# KiCad board Lime_RFE.kicad_pcb (continued)
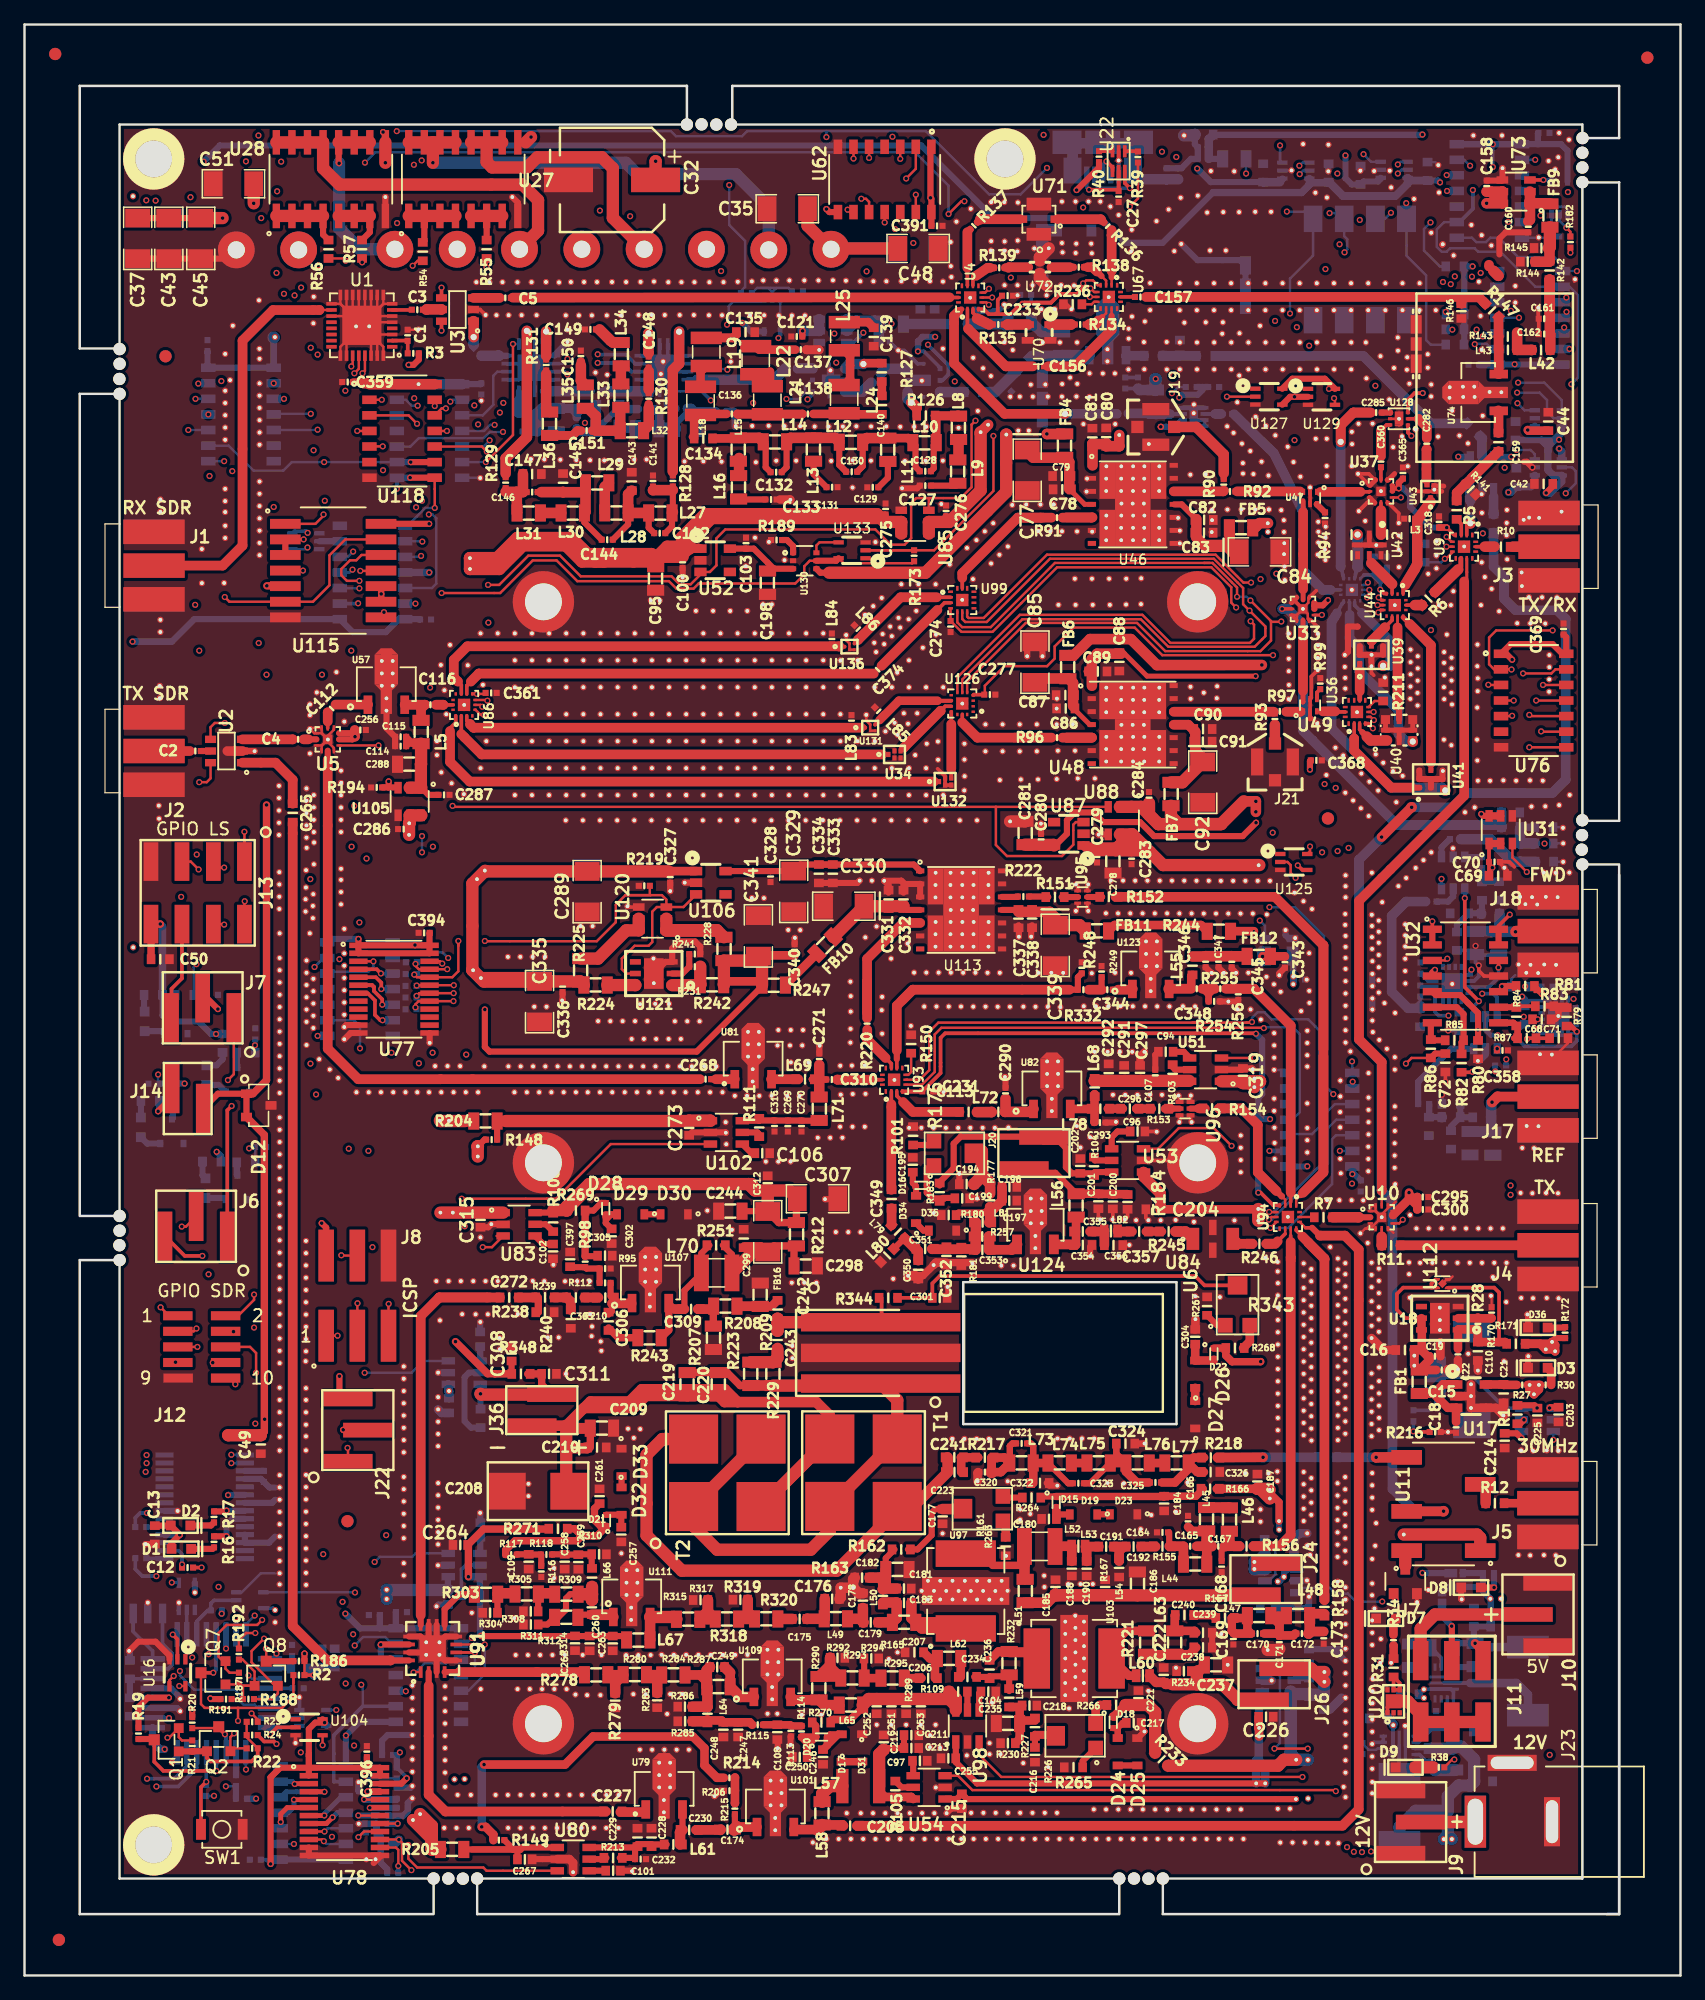
[diagram p0: board, top side]
## Placement (name value [footprint] x y rotation side) (continued)
U103  AFT09MS007NT1  [SMD_AFT09MS007NT1]  85.57 25.83 270 top
U104  -  [SN74LV1T34]  23.2 20.23 0 top
U105  NCP331SNT1G  [TSOP-6]  31.4 95.68 180 top
U106  NCP702_2V8  [NCP702_TSOP5]  55.95 89.06 0 top
U107  -  [RD01MUS2B]  51.02 56.59 0 top
U108  -  [SN74LV1T34]  23.51 20.99 0 bottom
U109  -  [RD01MUS2B]  60.96 24.49 0 top
U110  TPS22810DBVR  [SOT23_TPS22810DBVR]  123.33 45.28 180 bottom
U111  -  [RD01MUS2B]  49.5 31.01 0 top
U112  NCP163_2V5_NF  [NCP163_XDFN4]  115.59 56.38 90 top
U113  -  [QPA9426]  76.35 86.84 0 top
U114  -  [SN74LV1T04]  22.94 116.89 180 bottom
U115  -  [TC74HC04AF]  25.16 114.5 0 top
U116  -  [74LV164D,118]  28.36 114.35 0 bottom
U117  -  [74LV164D,118]  17.65 127.22 180 bottom
U118  -  [74LV164D,118]  30.78 125.88 0 top
U119  -  [74LV164D,118]  122.73 135.1 0 bottom
U120  NCP331SNT1G  [TSOP-6]  51.2 86.13 90 top
U121  -  [LD39200]  51.3 81.66 180 top
U122  NCP331SNT1G  [TSOP-6]  102.25 83.56 90 bottom
U123  MAAM-009286  [SOT89_MAAM-009286]  91.81 82.19 0 top
U124  RFM04U6P  [RFM04U6P_SOT89]  82.41 61.32 0 top
U125  -  [SN74LV1T04]  103.47 90.75 0 top
U126  SKY13416-485LF  [14QFN_SKY13416-485LF]  76.45 103.67 180 top
U127  -  [SN74LV1T04]  101.44 128.67 0 top
U128  SKY13370-374LF  [SKY13370-374LF_6QFN]  112.06 126.87 180 top
U129  -  [SN74LV1T04]  105.73 128.66 0 top
U130  -  [FSA5157P6X]  63.61 115.3 270 top
U131  -  [F6QA1G842M2AN-J]  68.94 101.7 0 top
U132  -  [B39212B9451P810]  75.05 97.3 0 top
U133  -  [SN74LV1T34]  67.47 116.15 180 top
U136  -  [F6QA2G655M2QH-J]  67.25 108.3 0 top
U?  LimeNET-Micro v2.0  [LimeNET_Micro_v2.0]  45.23 79.34 180 top
U?#2  -  [HEAT_SINK_60.96x116.84]  68.97 66.23 0 bottom
X1  -  [CSTNE16M0V530000R0]  10.05 29.5 0 bottom

## Footprints (pads in the part's own frame, mm; a bottom-side part is the same pattern mirrored in y, then rotated)
6-DFN
  rect 0.43x0.36 smd: 1(-0.925,0.5) 2(-0.925,0) 3(-0.925,-0.5) 4(0.945,-0.5) 5(0.945,0) 6(0.945,0.5)
  rect 1.15x1.3 smd: 1(0.01,0)
14QFN_SKY13414-485LF
  rect 0.395x0.2 smd: 1(-0.953,0.675) 2(-0.953,0.225) 3(-0.953,-0.225) 4(-0.953,-0.675) 8(0.953,-0.675) 9(0.953,-0.225) 10(0.953,0.225) 11(0.953,0.675)
  rect 0.2x0.395 smd: 5(-0.4,-0.953) 6(0,-0.953) 7(0.4,-0.953) 12(0.4,0.953) 13(0,0.953) 14(-0.4,0.953)
  rect 1x1 smd: 15(0,0)
14QFN_SKY13415-485LF
  rect 0.395x0.2 smd: 1(-0.953,0.675) 2(-0.953,0.225) 3(-0.953,-0.225) 4(-0.953,-0.675) 8(0.953,-0.675) 9(0.953,-0.225) 10(0.953,0.225) 11(0.953,0.675)
  rect 0.2x0.395 smd: 5(-0.4,-0.953) 6(0,-0.953) 7(0.4,-0.953) 12(0.4,0.953) 13(0,0.953) 14(-0.4,0.953)
  rect 1x1 smd: 15(0,0)
14QFN_SKY13416-485LF
  rect 0.28x0.2 smd: 1(-0.895,0.675) 2(-0.895,0.225) 3(-0.895,-0.225) 4(-0.895,-0.675) 8(0.895,-0.675) 9(0.895,-0.225) 10(0.895,0.225) 11(0.895,0.675)
  rect 0.2x0.28 smd: 5(-0.4,-0.895) 6(0,-0.895) 7(0.4,-0.895) 12(0.4,0.895) 13(0,0.895) 14(-0.4,0.895)
  rect 1x1 smd: 15(0,0)
14QFN_SKY13418-485LF
  rect 0.395x0.2 smd: 1(-0.953,0.675) 2(-0.953,0.225) 3(-0.953,-0.225) 4(-0.953,-0.675) 8(0.953,-0.675) 9(0.953,-0.225) 10(0.953,0.225) 11(0.953,0.675)
  rect 0.2x0.395 smd: 5(-0.4,-0.953) 6(0,-0.953) 7(0.4,-0.953) 12(0.4,0.953) 13(0,0.953) 14(-0.4,0.953)
  rect 1x1 smd: 15(0,0)
74LV164D,118
  rect 1.18x0.7 smd: 1(-2.66,3.81) 2(-2.66,2.54) 3(-2.66,1.27) 4(-2.66,0) 5(-2.66,-1.27) 6(-2.66,-2.54) 7(-2.66,-3.81) 8(2.66,-3.81) 9(2.66,-2.54) 10(2.66,-1.27) 11(2.66,0) 12(2.66,1.27) 13(2.66,2.54) 14(2.66,3.81)
74LVC1G08GW_TSSOP-5
  rect 0.4x0.7 smd: 1(-0.65,-1.35) 2(0,-1.35) 3(0.65,-1.35) 4(0.65,1.35) 5(-0.65,1.35)
74LVC1T45
  rect 0.85x0.35 smd: 1(-1.1,0.65) 2(-1.1,0) 3(-1.1,-0.65) 4(1.1,-0.65) 5(1.1,0) 6(1.1,0.656)
2450LP14B100T
  rect 0.25x0.55 smd: 1(0.5,0.4) 2(0,0.4) 3(-0.5,0.4) 4(-0.5,-0.4) 5(0,-0.4) 6(0.5,-0.4)
3600BP14M0600T
  rect 0.8x0.7 smd: 1(0,0.55) 3(0,-0.55)
  rect 0.65x0.3 smd: 2(0.95,0) 4(-0.95,0)
54202-G3003LF
  rect 1.27x4.24 smd: 1(-2.54,-3.265) 2(-2.54,3.265) 3(0,-3.265) 4(0,3.265) 5(2.54,-3.265) 6(2.54,3.265)
885026
  rect 0.35x0.425 smd: 1(-0.5,0) 2(0,-0.287) 3(0.5,-0.287) 4(0.5,0.287) 5(0,0.287)
1462042-8
  rect 1.2x2.5 smd: 1(-3.8,-3) 3(1.6,-3) 5(3.8,3) 7(-0.6,3) 8(-3.8,3)
744889020100
  rect 4x4 smd: 1(-2.75,2.75) 2(-2.75,-2.75) 3(2.75,-2.75) 4(2.75,2.75)
ADE04S04
  rect 2.16x1.52 smd: 1(-4.13,3.81) 2(-4.13,1.27) 3(-4.13,-1.27) 4(-4.13,-3.81) 5(4.13,-3.81) 6(4.13,-1.27) 7(4.13,1.27) 8(4.13,3.81)
ADL5513
  rect 0.6x0.3 smd: 1(-1.4,0.75) 2(-1.4,0.25) 3(-1.4,-0.25) 4(-1.4,-0.75) 9(1.4,-0.75) 10(1.4,-0.25) 11(1.4,0.25) 12(1.4,0.75)
  rect 0.3x0.5 smd: 5(-0.75,-1.4) 6(-0.25,-1.4) 7(0.25,-1.4) 8(0.75,-1.4) 13(0.75,1.4) 14(0.25,1.4) 15(-0.25,1.4) 16(-0.75,1.4)
  rect 1.75x1.75 smd: 10(0,0)
ATMEGA328P-AU
  rect 1.999x0.45 smd: 1(-4.816,2.824) 2(-4.816,2.024) 3(-4.816,1.224) 4(-4.816,0.424) 5(-4.816,-0.376) 6(-4.816,-1.176) 7(-4.816,-1.976) 8(-4.816,-2.776) 17(4.75,-2.794) 18(4.75,-1.981) 19(4.75,-1.168) 20(4.75,-0.381) 21(4.75,0.432) 22(4.75,1.219) 23(4.75,2.032) 24(4.75,2.819)
  rect 0.45x1.999 smd: 9(-2.819,-4.775) 10(-2.032,-4.775) 11(-1.219,-4.775) 12(-0.432,-4.775) 13(0.356,-4.775) 14(1.168,-4.775) 15(1.981,-4.775) 16(2.794,-4.775) 25(2.774,4.826) 26(1.976,4.826) 27(1.173,4.826) 28(0.376,4.826) 29(-0.427,4.826) 30(-1.224,4.826) 31(-2.027,4.826) 32(-2.824,4.826)
B3U-1000P
  rect 0.8x1.7 smd: 1(-1.7,0) 2(1.7,0)
B39202B9477P810
  rect 0.35x0.425 smd: 1(-0.5,0) 2(0,-0.287) 3(0.5,-0.287) 4(0.5,0.287) 5(0,0.287)
B39212B9451P810
  rect 0.35x0.425 smd: 1(-0.5,0) 2(0,-0.287) 3(0.5,-0.287) 4(0.5,0.287) 5(0,0.287)
BAS16HT1G
  rect 0.63x0.83 smd: 1(-1.115,0) 2(1.115,0)
BC817_SOT-23
  rect 0.5x0.6 smd: 1(0,-1) 2(0.95,1) 3(-0.95,1)
BP0805A1308ASTR
  rect 0.54x1 smd: 1(-0.645,0.925) 2(-0.645,-0.925) 3(0.645,-0.925) 4(0.645,0.925)
BreakHole
  round 1 hole 1 unplated: (0,0)
BSN20
  rect 0.9x0.9 smd: D(0,1)
  rect 0.8x0.8 smd: G(-0.95,-1) S(0.95,-1)
CONN_1757242
  round 3 hole 1.4: 1(-2.54,0) 2(2.54,0)
CONN_1757307
  round 3 hole 1.4: 1(-17.78,0) 2(-12.7,0) 3(-7.62,0) 4(-2.54,0) 5(2.54,0) 6(7.62,0) 7(12.7,0.05) 8(17.78,0)
CSTNE16M0V530000R0
  rect 0.6x1.6 smd: 1(-1.2,0) 2(0,0) 3(1.2,0)
DEA163800LT-5017C1
  rect 0.35x0.65 smd: 1(0.55,0.45) 2(0,0.45) 3(-0.55,0.45) 4(-0.55,-0.45) 5(0,-0.45) 6(0.55,-0.45)
DEA252400BT-2030A1
  rect 1.1x0.6 smd: 1(-1.5,0) 2(1.5,0)
  rect 2x1.05 smd: 3(0,1.225) 4(0,-1.225)
DRDC3105F-7_SOT23
  rect 0.8x0.9 smd: 1(0,1) 2(-0.95,-1) 3(0.95,-1)
EEE-HC1E101P
  rect 2x4 smd: 1(0,-3.55) 2(0,3.55)
F6QA1G842M2AN-J
  rect 0.2x0.25 smd: 1(-0.4,0) 2(0,-0.25) 3(0.4,-0.25) 4(0.4,0.25) 5(0,0.25)
F6QA2G655M2QH-J
  rect 0.2x0.25 smd: 1(-0.4,0) 2(0,-0.25) 3(0.4,-0.25) 4(0.4,0.25) 5(0,0.25)
F1956NBGI8
  rect 0.85x0.3 smd: 1(-2.475,1.75) 2(-2.475,1.25) 3(-2.475,0.75) 4(-2.475,0.25) 5(-2.475,-0.25) 6(-2.475,-0.75) 7(-2.475,-1.25) 8(-2.475,-1.75) 17(2.475,-1.75) 18(2.475,-1.25) 19(2.475,-0.75) 20(2.475,-0.25) 21(2.475,0.25) 22(2.475,0.75) 23(2.475,1.25) 24(2.475,1.75)
  rect 0.3x0.85 smd: 9(-1.75,-2.475) 10(-1.25,-2.475) 11(-0.75,-2.475) 12(-0.25,-2.475) 13(0.25,-2.475) 14(0.75,-2.475) 15(1.25,-2.475) 16(1.75,-2.475) 25(1.75,2.475) 26(1.25,2.475) 27(0.75,2.475) 28(0.25,2.475) 29(-0.25,2.475) 30(-0.75,2.475) 31(-1.25,2.475) 32(-1.75,2.475)
  rect 3.2x3.2 smd: 33(0,0)
FAN_CONN_3
  rect 0.85x1.65 smd: 1(-1.25,2.95) 2(0,2.95) 3(1.25,2.95)
  rect 2.15x3.05 smd: 4(3.9,0) 5(-3.9,0)
Fiducial
  round 1 smd: 1(0,0)
  round 1 smd far side: 2(0,0)
FSA5157P6X
  rect 0.4x0.5 smd: 1(-0.65,-0.95) 2(0,-0.95) 3(0.65,-0.95) 4(0.65,0.95) 5(0,0.95) 6(-0.65,0.95)
FT232RL
  rect 0.419x1.471 smd: 1(-4.224,-3.275) 2(-3.574,-3.275) 3(-2.926,-3.275) 4(-2.276,-3.275) 5(-1.626,-3.275) 6(-0.975,-3.275) 7(-0.325,-3.275) 8(0.325,-3.275) 9(0.975,-3.275) 10(1.626,-3.275) 11(2.276,-3.275) 12(2.926,-3.275) 13(3.574,-3.275) 14(4.224,-3.275) 15(4.224,3.275) 16(3.574,3.275) 17(2.926,3.275) 18(2.276,3.275) 19(1.626,3.275) 20(0.975,3.275) 21(0.325,3.275) 22(-0.325,3.275) 23(-0.975,3.275) 24(-1.626,3.275) 25(-2.266,3.275) 26(-2.926,3.275) 27(-3.574,3.275) 28(-4.224,3.275)
GND_VIA
  round 0.5 hole 0.3: 1(0,0)
GSOT03C-E3-08
  rect 0.7x0.9 smd: 1(-0.95,-1) 2(0.95,-1) 3(0,1)
HEAT_SINK_60.96x116.84
  round 5 hole 3: 1(-26.67,-45.72) 1(-26.67,0) 1(-26.67,45.72) 1(26.67,-45.72) 1(26.67,0) 1(26.67,45.72)
HHM22137A2
  rect 0.3x0.5 smd: 1(-0.55,-0.5) 2(0,-0.5) 3(0.55,-0.5) 4(0.55,0.5) 5(0,0.5) 6(-0.55,0.5)
HHM22139A2
  rect 0.3x0.5 smd: 1(-0.55,-0.5) 2(0,-0.5) 3(0.55,-0.5) 4(0.55,0.5) 5(0,0.5) 6(-0.55,0.5)
HMC544AE
  rect 0.6x0.9 smd: 1(-0.95,-1.3) 2(0,-1.3) 3(0.95,-1.3) 4(0.95,1.3) 5(0,1.3) 6(-0.95,1.3)
LD39200
  rect 0.9x0.45 smd: 1(-1.5,0.95) 2(-1.5,0) 3(-1.5,-0.95) 4(1.5,-0.95) 5(1.5,0) 6(1.5,0.95)
  rect 1.6x2.5 smd: 7(0,0)
LED_0603
  rect 0.798x0.798 smd: 1(-0.8,0) 2(0.8,0)
LFCN-1450+
  rect 1.04x1.8 smd: 1(-1.625,0) 3(1.625,0)
  rect 0.61x1.245 smd: 2(0,-0.927) 4(0,0.927)
LimeNET_Micro_v2.0
  round 5 hole 3: 1(-34.7,-68.7) 1(34.7,68.7) 1(34.7,-68.7)
M14A
  rect 0.6x1.55 smd: 1(-3.81,-2.7) 2(-2.54,-2.7) 3(-1.27,-2.7) 4(0,-2.7) 5(1.27,-2.7) 6(2.54,-2.7) 7(3.81,-2.7) 8(3.81,2.7) 9(2.54,2.7) 10(1.27,2.7) 11(0,2.7) 12(-1.27,2.7) 13(-2.54,2.7) 14(-3.81,2.7)
M20-8750442
  rect 3.15x1.2 smd: 1(-2.55,3.81) 2(-2.55,1.28) 3(-2.55,-1.28) 4(-2.55,-3.81) 5(2.55,-3.81) 6(2.55,-1.28) 7(2.55,1.28) 8(2.55,3.81)
M20-8770342
  rect 1.2x4 smd: 1(2.54,-0.8) 2(0,0.8) 3(-2.54,-0.8)
MASW-008566-TR3000
  rect 0.95x0.3 smd: 1(-1.925,0.975) 2(-1.925,0.325) 3(-1.925,-0.325) 4(-1.925,-0.975) 9(1.925,-0.975) 10(1.925,-0.325) 11(1.925,0.325) 12(1.925,0.975)
  rect 2.15x2.15 smd: 3(0,0)
  rect 0.3x0.95 smd: 5(-0.975,-1.925) 6(-0.325,-1.925) 7(0.325,-1.925) 8(0.975,-1.925) 13(0.975,1.925) 14(0.325,1.925) 15(-0.325,1.925) 16(-0.975,1.925)
NCP163_XDFN4
  rect 0.11x0.42 smd: 1(-0.4,-0.405) 2(0.4,-0.405) 3(0.4,0.405) 4(-0.4,0.405)
  rect 0.12x0.25 smd rot 45: 1(-0.325,-0.335) 3(0.325,0.335)
  rect 0.26x0.24 smd: 1(-0.325,-0.502) 2(0.325,-0.502) 3(0.325,0.502) 4(-0.325,0.502)
  rect 0.52x0.52 smd rot 45: 2(0,0)
  rect 0.12x0.25 smd rot 135: 2(0.325,-0.335) 4(-0.325,0.335)
NCP702_TSOP5
  rect 1x0.7 smd: 1(-1.2,0.95) 2(-1.2,0) 3(-1.2,-0.95) 4(1.2,-0.95) 5(1.2,0.95)
NSR20F30NXT5G
  rect 0.52x0.7 smd: 1(-0.59,0)
  rect 1.05x0.7 smd: 2(0.38,0)
PE4245
  rect 0.4x0.4 smd: 1(-1.325,0.95) 2(-1.325,0) 3(-1.325,-0.95) 4(1.325,-0.95) 5(1.325,0) 6(1.325,0.95)
  rect 1.51x0.92 smd: 2(-0.185,0)
  rect 0.25x0.3 smd: 2(0,-1.35) 2(0,1.35)
PIN_HEADER_2X5
  rect 2.4x0.74 smd: 1(-1.95,2.54) 2(1.95,2.54) 3(-1.95,1.27) 4(1.95,1.27) 5(-1.95,0) 6(1.95,0) 7(-1.95,-1.27) 8(1.95,-1.27) 9(-1.925,-2.54) 10(1.95,-2.54)
PINHEADER_2X3
  rect 3.2x1.27 smd: 1(-2.575,2.575) 2(2.426,2.575) 3(-2.575,0.035) 4(2.426,0.035) 5(-2.575,-2.505) 6(2.426,-2.505)
QPA9419
  rect 0.675x0.4 smd: 1(-3.337,3.18) 2(-3.337,2.12) 3(-3.337,1.06) 4(-3.337,0) 5(-3.337,-1.06) 6(-3.337,-2.12) 7(-3.337,-3.18) 8(3.337,-3.18) 9(3.337,-2.12) 10(3.337,-1.06) 11(3.337,0) 12(3.337,1.06) 13(3.337,2.12) 14(3.337,3.18)
  rect 5.45x2.955 smd: 15(0,1.923) 15(0,-1.923)
  rect 2.9x0.89 smd: 15(0,0)
QPA9426
  rect 0.675x0.4 smd: 1(-3.337,3.18) 2(-3.337,2.12) 3(-3.337,1.06) 4(-3.337,0) 5(-3.337,-1.06) 6(-3.337,-2.12) 7(-3.337,-3.18) 8(3.337,-3.18) 9(3.337,-2.12) 10(3.337,-1.06) 11(3.337,0) 12(3.337,1.06) 13(3.337,2.12) 14(3.337,3.18)
  rect 1.275x2.955 smd: 15(-2.087,1.923) 15(-2.087,-1.923) 15(2.087,1.923) 15(2.087,-1.923)
  rect 2.9x6.8 smd: 15(0,0)
QPQ1282
  rect 0.4x0.4 smd: 1(-0.7,0.95) 2(-0.7,0) 3(-0.7,-0.95) 4(0,-0.95) 5(0.7,-0.95) 6(0.7,0) 7(0.7,0.95) 8(0,0.95)
  rect 0.4x0.9 smd: 2(0,0)
QPQ1297
  rect 0.4x0.4 smd: 1(-0.7,0.95) 2(-0.7,0) 3(-0.7,-0.95) 4(0,-0.95) 5(0.7,-0.95) 6(0.7,0) 7(0.7,0.95) 8(0,0.95)
  rect 0.4x0.9 smd: 2(0,0)
RAPC712X
  rect 4.25x1.75 hole 3.75x1.25: 1(0,6.25)
  rect 4x1.3 hole 3.5x1: 2(0,0)
  rect 1.3x4 hole 1x3.5: 2(4.8,3.25)
RD01MUS2B
  rect 0.711x1.499 smd: 1(-1.499,-1.791) 3(1.499,-1.791)
  trapezoid 1.41x0.495 smd: 2(0,2.546) 2(0,-0.375)
  rect 1.905x2.426 smd: 2(0,1.086)
  rect 0.914x5.334 smd: 2(0,0.127)
RD16HHF1
  rect 1.5x13 smd: 1(-2.5,-6.5) 2(0,-6.5) 3(2.5,-6.5)
RFM04U6P_SOT89
  rect 0.8x1.6 smd: 1(-1.5,-1.74) 3(1.5,-1.74)
  trapezoid 1.41x0.495 smd: 2(0,2.546) 2(0,-0.375)
  rect 1.905x2.426 smd: 2(0,1.086)
  rect 0.914x5.334 smd: 2(0,0.127)
S0981-46R
  rect 0.8x1 smd: (-4.5,0)
  rect 2.1x1 smd: (-1.05,0)
  trapezoid 1x0.1 smd: (-0.55,0.55)
  rect 1x2.1 smd: (-0.5,0.55)
  rect 1x0.8 smd: (-0.5,4)
S1001-46R
  rect 1.5x0.9 smd: (-1.6,0) (1.6,0)
  rect 1.1x0.9 smd: (0,0)
SKY13370-374LF_6QFN
  rect 0.35x0.25 smd: 1(-0.725,0.5) 2(-0.725,0) 3(-0.725,-0.5) 4(0.725,-0.5) 5(0.725,0) 6(0.725,0.5)
  rect 0.212x0.212 smd rot 135: 5(-0.2,0.45)
  rect 0.2x0.05 smd: 5(0,0.625) 5(0,-0.625)
  rect 0.7x0.45 smd: 5(0,0.225)
  rect 0.7x0.6 smd: 5(0,-0.3)
  rect 0.55x0.15 smd: 5(0.075,0.525)
SKYA21003_12QFN
  rect 0.44x0.2 smd: 1(-0.93,0.5) 2(-0.93,0) 3(-0.93,-0.5) 7(0.93,-0.5) 8(0.93,0) 9(0.93,0.5)
  rect 0.76x0.76 smd: 1(0,0)
  rect 0.2x0.44 smd: 4(-0.5,-0.93) 5(0,-0.93) 6(0.5,-0.93) 10(0.5,0.93) 11(0,0.93) 12(-0.5,0.93)
SMA_v2
  rect 5x2 smd: 1(0,0) 2(0,-2.75) 3(0,2.75)
  rect 5x2 smd far side: 4(0,-2.75) 5(0,2.75)
SMD0402
  rect 0.495x0.495 smd: 1(-0.45,0) 2(0.45,0)
SMD0603
  rect 0.7x0.8 smd: 1(-0.75,0) 2(0.75,0)
SMD0603_gap05
  rect 0.699x0.798 smd: 1(-0.6,0) 2(0.6,0)
SMD0604
  rect 0.699x1.05 smd: 1(-0.546,0) 2(0.546,0)
SMD0805
  rect 0.899x1.4 smd: 1(-0.953,0) 2(0.953,0)
SMD1008
  rect 1.22x2.99 smd: 1(-1.245,0) 2(1.245,0)
SMD1008_inductor
  rect 1.02x2.54 smd: 1(-1.145,0) 2(1.145,0)
SMD1206
  rect 1.524x2.032 smd: 1(-1.651,0) 2(1.651,0)
SMD1206_TANTAL
  rect 1.524x2.032 smd: 1(-1.651,0) 2(1.651,0)
SMD1210
  rect 1x2.8 smd: 1(-1.5,0) 2(1.5,0)
SMD_AFT09MS007NT1
  rect 4.91x2.16 smd: 1(0,-3.05) 2(0,3.05)
  rect 7.11x2.26 smd: 3(0,0)
SMD_TC33X
  rect 1.2x1.2 smd: 1(-1,-1.8) 3(1,-1.8)
  rect 1.6x1.5 smd: 2(0,1.45)
SN74LV1T04
  rect 0.85x0.35 smd: 1(-1.1,0.65) 2(-1.1,0) 3(-1.1,-0.65) 4(1.1,-0.65) 5(1.1,0.65)
SN74LV1T34
  rect 0.85x0.35 smd: 1(-1.1,0.65) 2(-1.1,0) 3(-1.1,-0.65) 4(1.1,-0.65) 5(1.1,0.65)
SN74LVCH8T245PWR
  rect 1.5x0.45 smd: 1(-2.9,3.575) 2(-2.9,2.925) 3(-2.9,2.275) 4(-2.9,1.625) 5(-2.9,0.975) 6(-2.9,0.325) 7(-2.9,-0.325) 8(-2.9,-0.975) 9(-2.9,-1.625) 10(-2.9,-2.275) 11(-2.9,-2.925) 12(-2.9,-3.575) 13(2.9,-3.575) 14(2.9,-2.925) 15(2.9,-2.275) 16(2.9,-1.625) 17(2.9,-0.975) 18(2.9,-0.325) 19(2.9,0.325) 20(2.9,0.975) 21(2.9,1.625) 22(2.9,2.275) 23(2.9,2.925) 24(2.9,3.575)
SOT23_TPS22810DBVR
  rect 1.1x0.6 smd: 1(-1.3,0.95) 2(-1.3,0) 3(-1.3,-0.95) 4(1.3,-0.95) 5(1.3,0) 6(1.3,0.95)
SOT89
  rect 0.711x1.499 smd: 1(-1.499,-1.791) 3(1.499,-1.791)
  trapezoid 1.41x0.495 smd: 2(0,-0.375) 2(0,2.546)
  rect 0.914x5.334 smd: 2(0,0.127)
  rect 1.905x2.426 smd: 4(0,1.086)
SOT89_ADL5611ARKZ-R7
  rect 0.711x1.499 smd: 1(-1.499,0.749) 3(1.499,0.749)
  trapezoid 1.41x0.495 smd: 2(0,5.086) 2(0,2.165)
  rect 0.914x5.334 smd: 2(0,2.667)
  rect 1.905x2.426 smd: 4(0,3.626)
SOT89_MAAM-009286
  rect 0.711x1.499 smd: 1(-1.499,-1.791) 3(1.499,-1.791)
  trapezoid 1.41x0.495 smd: 2(0,2.546) 2(0,-0.375)
  rect 0.914x5.334 smd: 2(0,0.127)
  rect 1.905x2.426 smd: 4(0,1.086)
SOT89_MAAM-009560
  rect 0.711x1.499 smd: 1(-1.499,-1.791) 3(1.499,-1.791)
  trapezoid 1.41x0.495 smd: 2(0,2.546) 2(0,-0.375)
  rect 1.905x2.426 smd: 2(0,1.086)
  rect 0.914x5.334 smd: 2(0,0.127)
SOT89_QPA6489A
  rect 0.711x1.499 smd: 1(-1.499,0.749) 3(1.499,0.749)
  trapezoid 1.41x0.495 smd: 2(0,5.086) 2(0,2.165)
  rect 1.905x2.426 smd: 2(0,3.626)
  rect 0.914x5.334 smd: 2(0,2.667)
SOT89_RFGA2054
  rect 0.711x1.499 smd: 1(-1.499,-1.791) 3(1.499,-1.791)
  trapezoid 1.41x0.495 smd: 2(0,2.546) 2(0,-0.375)
  rect 1.905x2.426 smd: 2(0,1.086)
  rect 0.914x5.334 smd: 2(0,0.127)
SOT-666
  rect 0.99x0.3 smd: 1(-0.8,0.5) 2(-0.8,0) 3(-0.8,-0.5) 4(0.8,-0.5) 5(0.8,0) 6(0.8,0.5)
SPM6530T-2R2M
  rect 1.85x3.4 smd: 1(-2.775,0) 2(2.775,0)
TAJE107M025SNJV
  rect 3x3 smd: 1(-2.5,0) 2(2.5,0)
TC74HC04AF
  rect 2.5x0.8 smd: 1(-3.9,3.81) 2(-3.9,2.54) 3(-3.9,1.27) 4(-3.9,0) 5(-3.9,-1.27) 6(-3.9,-2.54) 7(-3.9,-3.81) 8(3.9,-3.81) 9(3.9,-2.54) 10(3.9,-1.27) 11(3.9,0) 12(3.9,1.27) 13(3.9,2.54) 14(3.9,3.81)
TPS62136RGXT
  rect 2.4x0.25 smd: 1(0,0.5) 2(0,0) 3(0,-0.5)
  rect 0.25x0.6 smd: 4(-0.75,-1.3) 5(-0.25,-1.3) 6(0.25,-1.3) 7(0.75,-1.3) 8(0.75,1.3) 9(0.25,1.3) 10(-0.25,1.3) 11(-0.75,1.3)
TQM963014
  rect 0.73x0.73 smd: 1(0.86,-1.11) 3(0.86,1.11) 5(-0.86,1.11) 7(-0.86,-1.11)
  rect 0.73x0.4 smd: 2(0.86,0) 6(-0.86,0)
  rect 0.4x0.73 smd: 4(0,1.11) 8(0,-1.11)
  rect 0.4x0.9 smd: 8(0,0)
TQP3M9037
  rect 0.3x0.67 smd: 1(-0.75,-0.885) 2(-0.25,-0.885) 3(0.25,-0.885) 4(0.75,-0.885) 5(0.75,0.885) 6(0.25,0.885) 7(-0.25,0.885) 8(-0.75,0.885)
  rect 1.6x0.7 smd: 9(0,0)
TQQ6107
  rect 0.675x0.4 smd: 1(-0.838,0.95) 2(-0.838,0) 3(-0.838,-0.95) 5(0.838,-0.95) 6(0.838,0) 7(0.838,0.95)
  rect 0.4x0.675 smd: 4(0,-1.087) 8(0,1.087)
  rect 0.4x0.9 smd: 8(0,0)
TRANS_VIA
  round 0.7 hole 0.5: 1(0,0)
TSM-102-02-T-SV
  rect 1.2x4 smd: 1(-1.27,0.8) 2(1.27,-0.8)
TSOP-6
  rect 0.6x0.95 smd: 1(-0.95,-1.125) 2(0,-1.125) 3(0.95,-1.125) 4(0.95,1.125) 5(0,1.125) 6(-0.95,1.125)
ULN2003D1013TR
  rect 0.6x2 smd: 1(-4.445,-3) 2(-3.175,-3) 3(-1.905,-3) 4(-0.635,-3) 5(0.635,-3) 6(1.905,-3) 7(3.175,-3) 8(4.445,-3) 9(4.445,3) 10(3.175,3) 11(1.905,3) 12(0.635,3) 13(-0.635,3) 14(-1.905,3) 15(-3.175,3) 16(-4.445,3)
UMC_SMD
  rect 1x1 smd: 1(0,-1.5) 3(0,1.5)
  rect 1x2.2 smd: 2(1.45,0) 4(-1.45,0)
USB-MINI-B
  rect 0.45x1.38 smd: 1(-1.3,2.66) 2(-0.65,2.66) 3(0,2.66) 4(0.65,2.66) 5(1.3,2.66)
  rect 2.375x1.9 smd: 6(-2.91,0) 6(2.91,0)
  rect 1.475x2.1 smd: 6(-2.462,2.3) 6(2.462,2.3)
  rect 1.175x1.9 smd: 6(-0.84,0) 6(0.84,0)
VMN2
  rect 0.55x0.45 smd: 1(0,0.475) 2(0,-0.475)

## Nets
+2.5V: C111.2 C163.2 C359.2 C362.2 C369.2 C390.2 C391.2 C392.2 C393.2 C394.2 C395.2 C396.2 C398.2 C399.2 GND_VIA#1036.1 GND_VIA#1205.1 GND_VIA#1254.1 GND_VIA#1279.1 GND_VIA#1280.1 GND_VIA#1281.1 GND_VIA#1300.1 GND_VIA#1301.1 GND_VIA#1338.1 R171.1 R172.1 U14.5 U15.5 U16.5 U60.1 U60.14 U62.1 U62.14 U64.5 U68.1 U68.14 U69.5 U75.1 U75.14 U76.1 U76.14 U77.1 U77.2 U77.23 U77.24 U78.1 U78.2 U78.23 U78.24 U89.1 U89.14 U90.1 U90.14 U92.1 U92.14 U104.5 U108.5 U116.1 U116.14 U117.1 U117.14 U118.1 U118.14 U119.1 U119.14
+3V: C113.1 C233.1 C245.1 C256.1 C274.1 C277.1 C295.1 C300.1 C314.1 C318.1 C361.1 C363.1 C364.1 C365.1 C368.1 GND_VIA#1289.1 GND_VIA#1290.1 GND_VIA#1291.1 R23.1 R27.1 R30.2 R173.1 R191.1 U4.4 U5.8 U5.9 U9.4 U10.8 U10.9 U33.8 U33.9 U35.4 U36.4 U37.8 U37.9 U44.4 U61.4 U63.4 U67.4 U86.8 U93.4 U94.4 U99.4 U114.5 U115.14 U125.5 U126.4 U127.5 U129.5 U130.5 U133.5
+5V: C15.1 C16.1 C19.1 C74.1 C75.1 C95.1 C100.1 C121.1 C158.1 C203.2 C275.1 C278.1 C279.1 C283.1 C286.1 C289.1 C319.2 C327.1 C335.1 C336.1 C342.1 FB1.1 GND_VIA#641.1 GND_VIA#642.1 GND_VIA#643.1 GND_VIA#644.1 GND_VIA#645.1 GND_VIA#647.1 GND_VIA#700.1 GND_VIA#701.1 GND_VIA#702.1 GND_VIA#703.1 GND_VIA#1042.1 GND_VIA#1043.1 GND_VIA#1044.1 GND_VIA#1286.1 GND_VIA#1287.1 GND_VIA#1295.1 GND_VIA#1296.1 GND_VIA#1824.1 GND_VIA#1889.1 GND_VIA#1890.1 L4.1 R3.1 R31.1 R34.1 R148.1 R149.1 R214.2 R224.2 R225.2 U11.1 U18.5 U18.6 U31.5 U31.6 U51.1 U52.1 U65.5 U65.6 U73.5 U73.6 U85.5 U85.6 U87.1 U88.5 U88.6 U105.5 U105.6 U106.1 U110.1 U112.3 U112.4 U122.5 U122.6
+5V_DCDC: C23.2 D4.2 J11.1 L1.1 R25.1 R29.2 U19.6
+5V_ICSP: D6.2 J8.2
+5V_MCU: C7.1 C8.1 C10.1 C11.1 C13.1 D1.1 D2.1 D4.1 D5.1 D6.1 FB2.2 GND_VIA#1284.1 GND_VIA#1285.1 R2.2 R13.1 R18.2 R19.2 R20.2 R35.1 R186.2 U12.4 U12.6 U13.4 U13.20
+5V_USB: C28.1 C29.1 C30.1 D5.2 FB3.2 J11.3
+7.5V: C193.2 C204.2 C226.2 C255.2 C266.2 GND_VIA#633.1 GND_VIA#634.1 GND_VIA#635.1 GND_VIA#636.1 GND_VIA#637.1 GND_VIA#638.1 GND_VIA#639.1 GND_VIA#640.1 GND_VIA#646.1 GND_VIA#648.1 GND_VIA#708.1 GND_VIA#709.1 GND_VIA#712.1 GND_VIA#713.1 GND_VIA#1263.1 GND_VIA#1288.1 R37.1 R38.2 R204.2 R205.2 U50.1 U53.1 U55.1 U98.1 U100.1
+12V: C20.2 C25.2 C215.2 C315.2 C317.2 GND_VIA#650.1 GND_VIA#652.1 GND_VIA#653.1 GND_VIA#698.1 GND_VIA#699.1 GND_VIA#710.1 GND_VIA#711.1 GND_VIA#1921.1 GND_VIA#1922.1 GND_VIA#1923.1 J9.2 J23.1 U19.1 U19.8 U21.1 U21.8 U54.1 U56.1 U83.1
/Cell/PA_1_2_3/VCC: C284.1 FB6.1 FB7.1 U88.1 U88.2
/Cell/PA_7_38/VCC: C276.1 FB4.1 FB5.1 GND_VIA#1024.1 GND_VIA#1025.1 GND_VIA#1334.1 GND_VIA#1335.1 U85.1 U85.2
/SWR_Meter_Subsystem/5V_SWR: C69.1 C70.1 IC1.1 IC1.4 IC2.1 IC2.4 R78.2 U31.1 U31.2 U32.4
/TX_H2/PA2400/VCC1: FB10.1 R247.2
/TX_H2/PA2400/VCC2: FB11.1 R244.2
